# Altium PCB PIXHACK_V3D.PcbDoc (part 1 of 3) (continued)
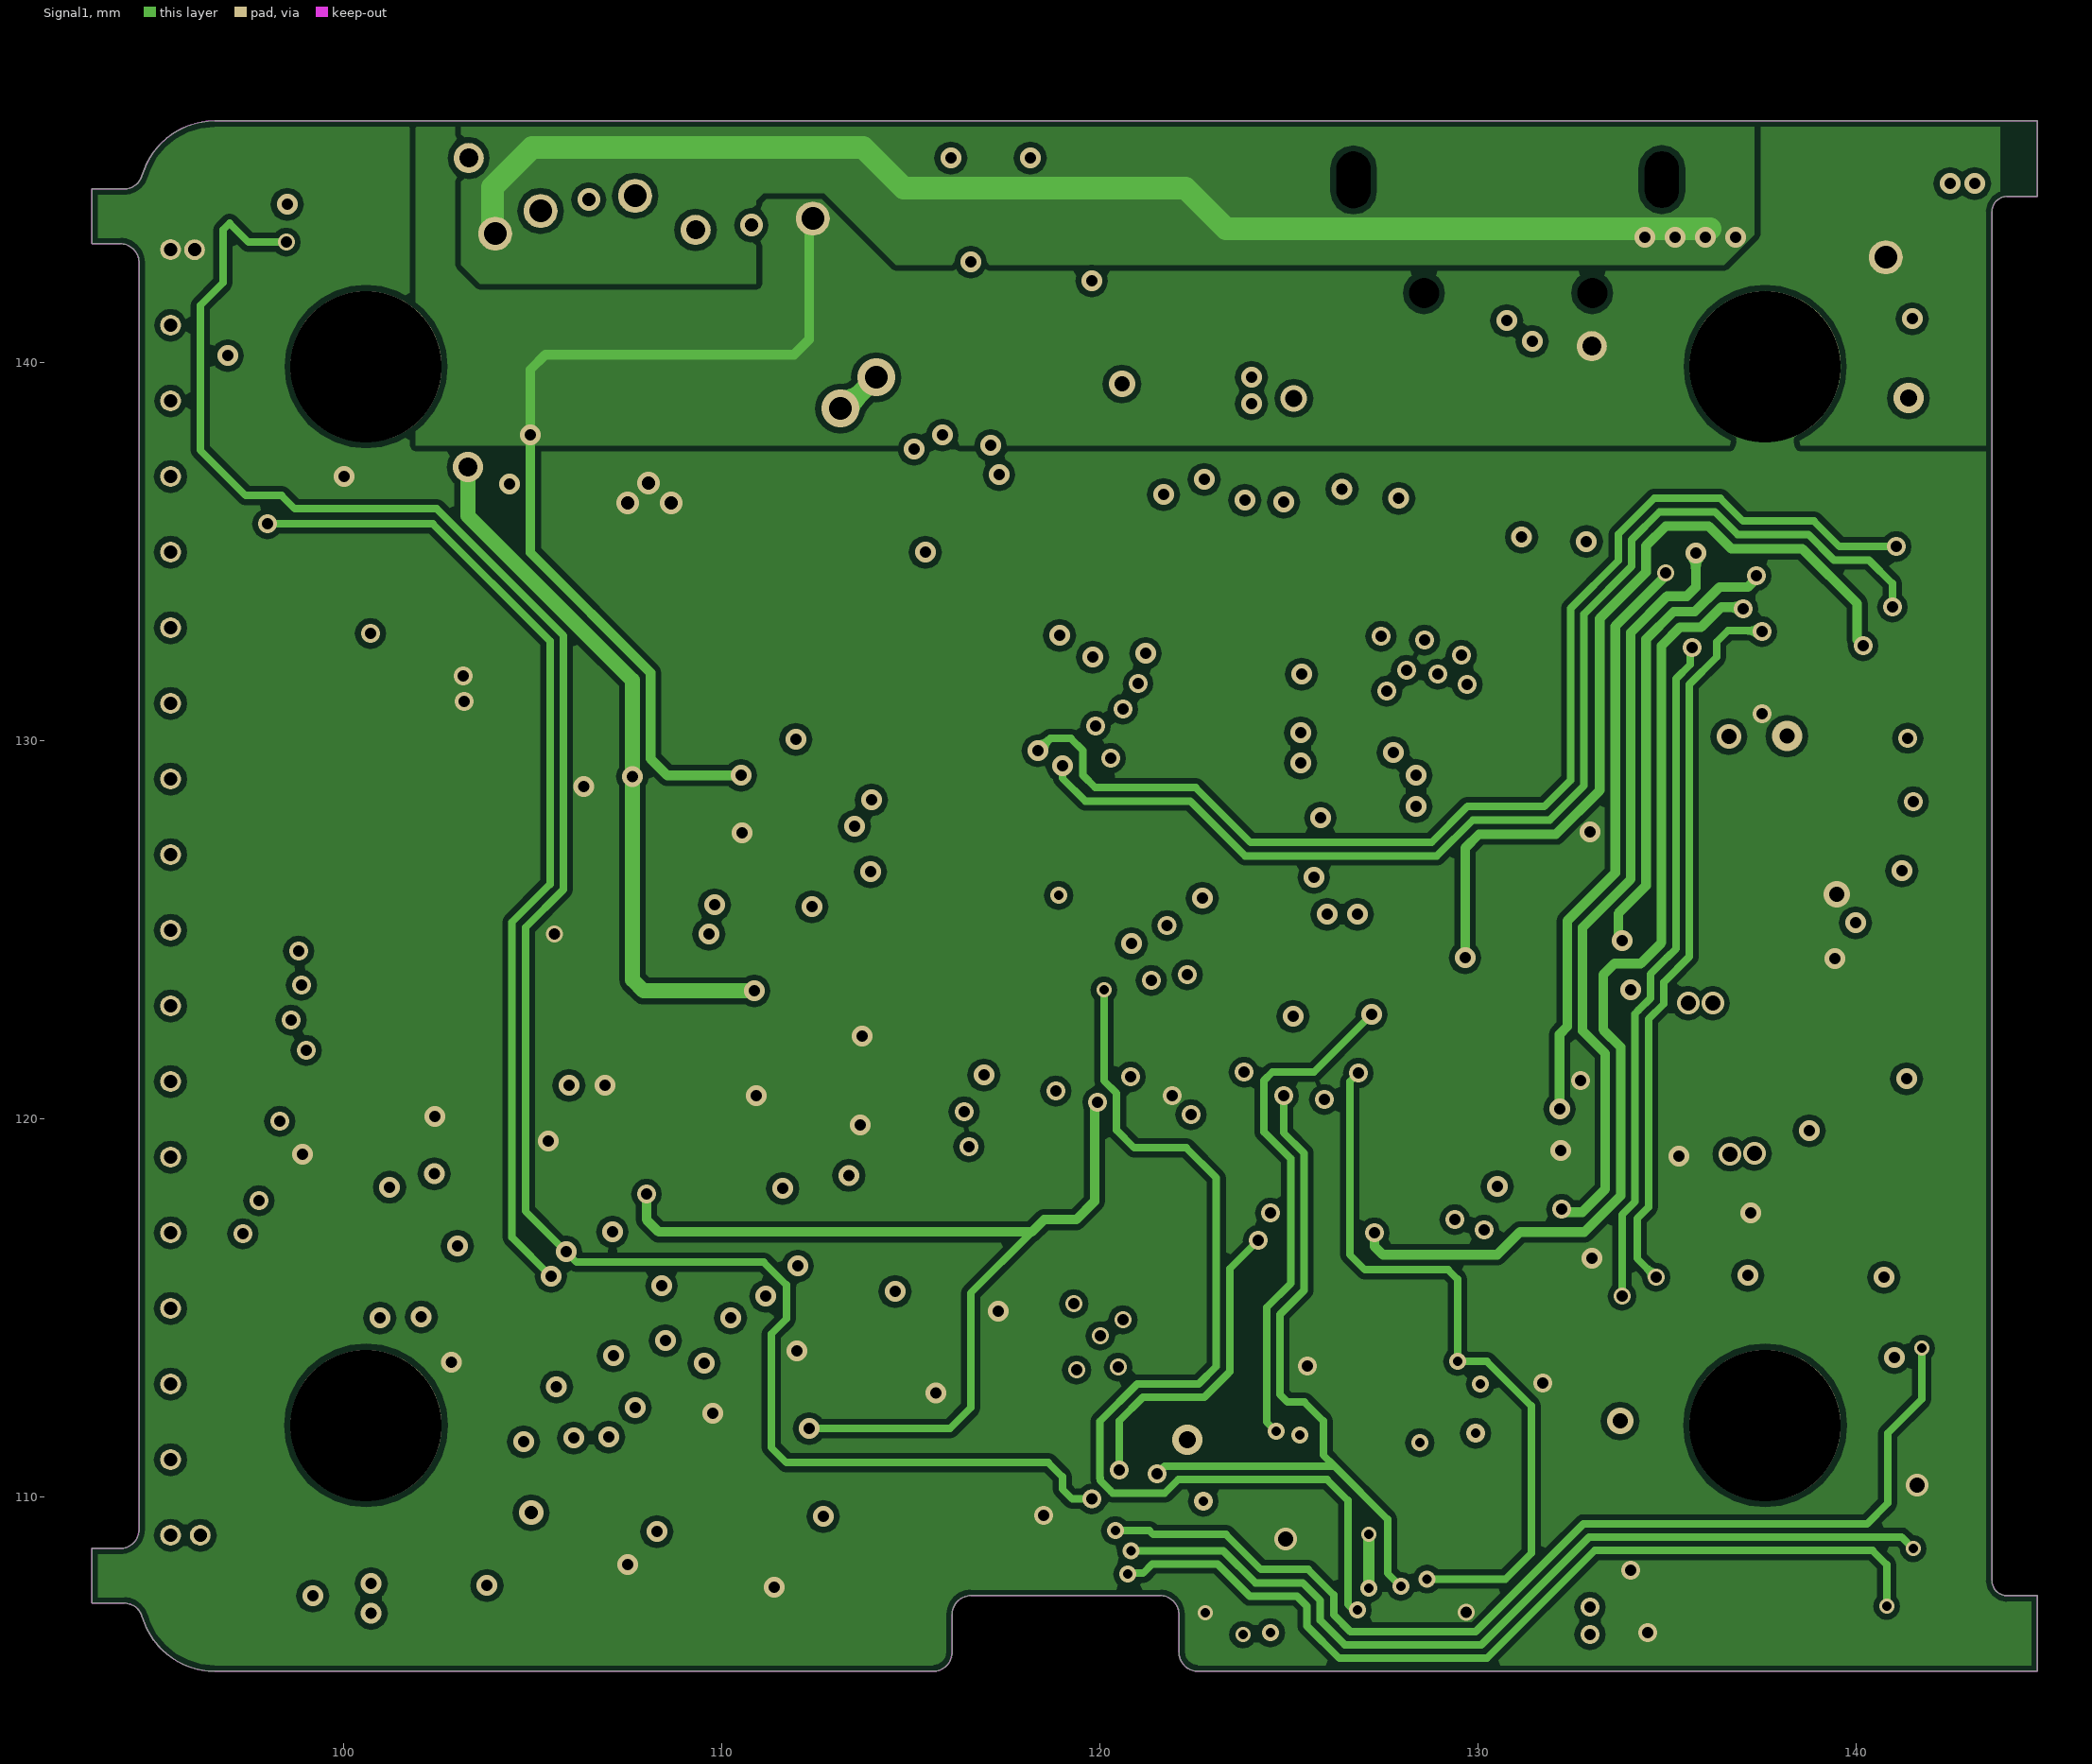
[diagram p4: Signal1]
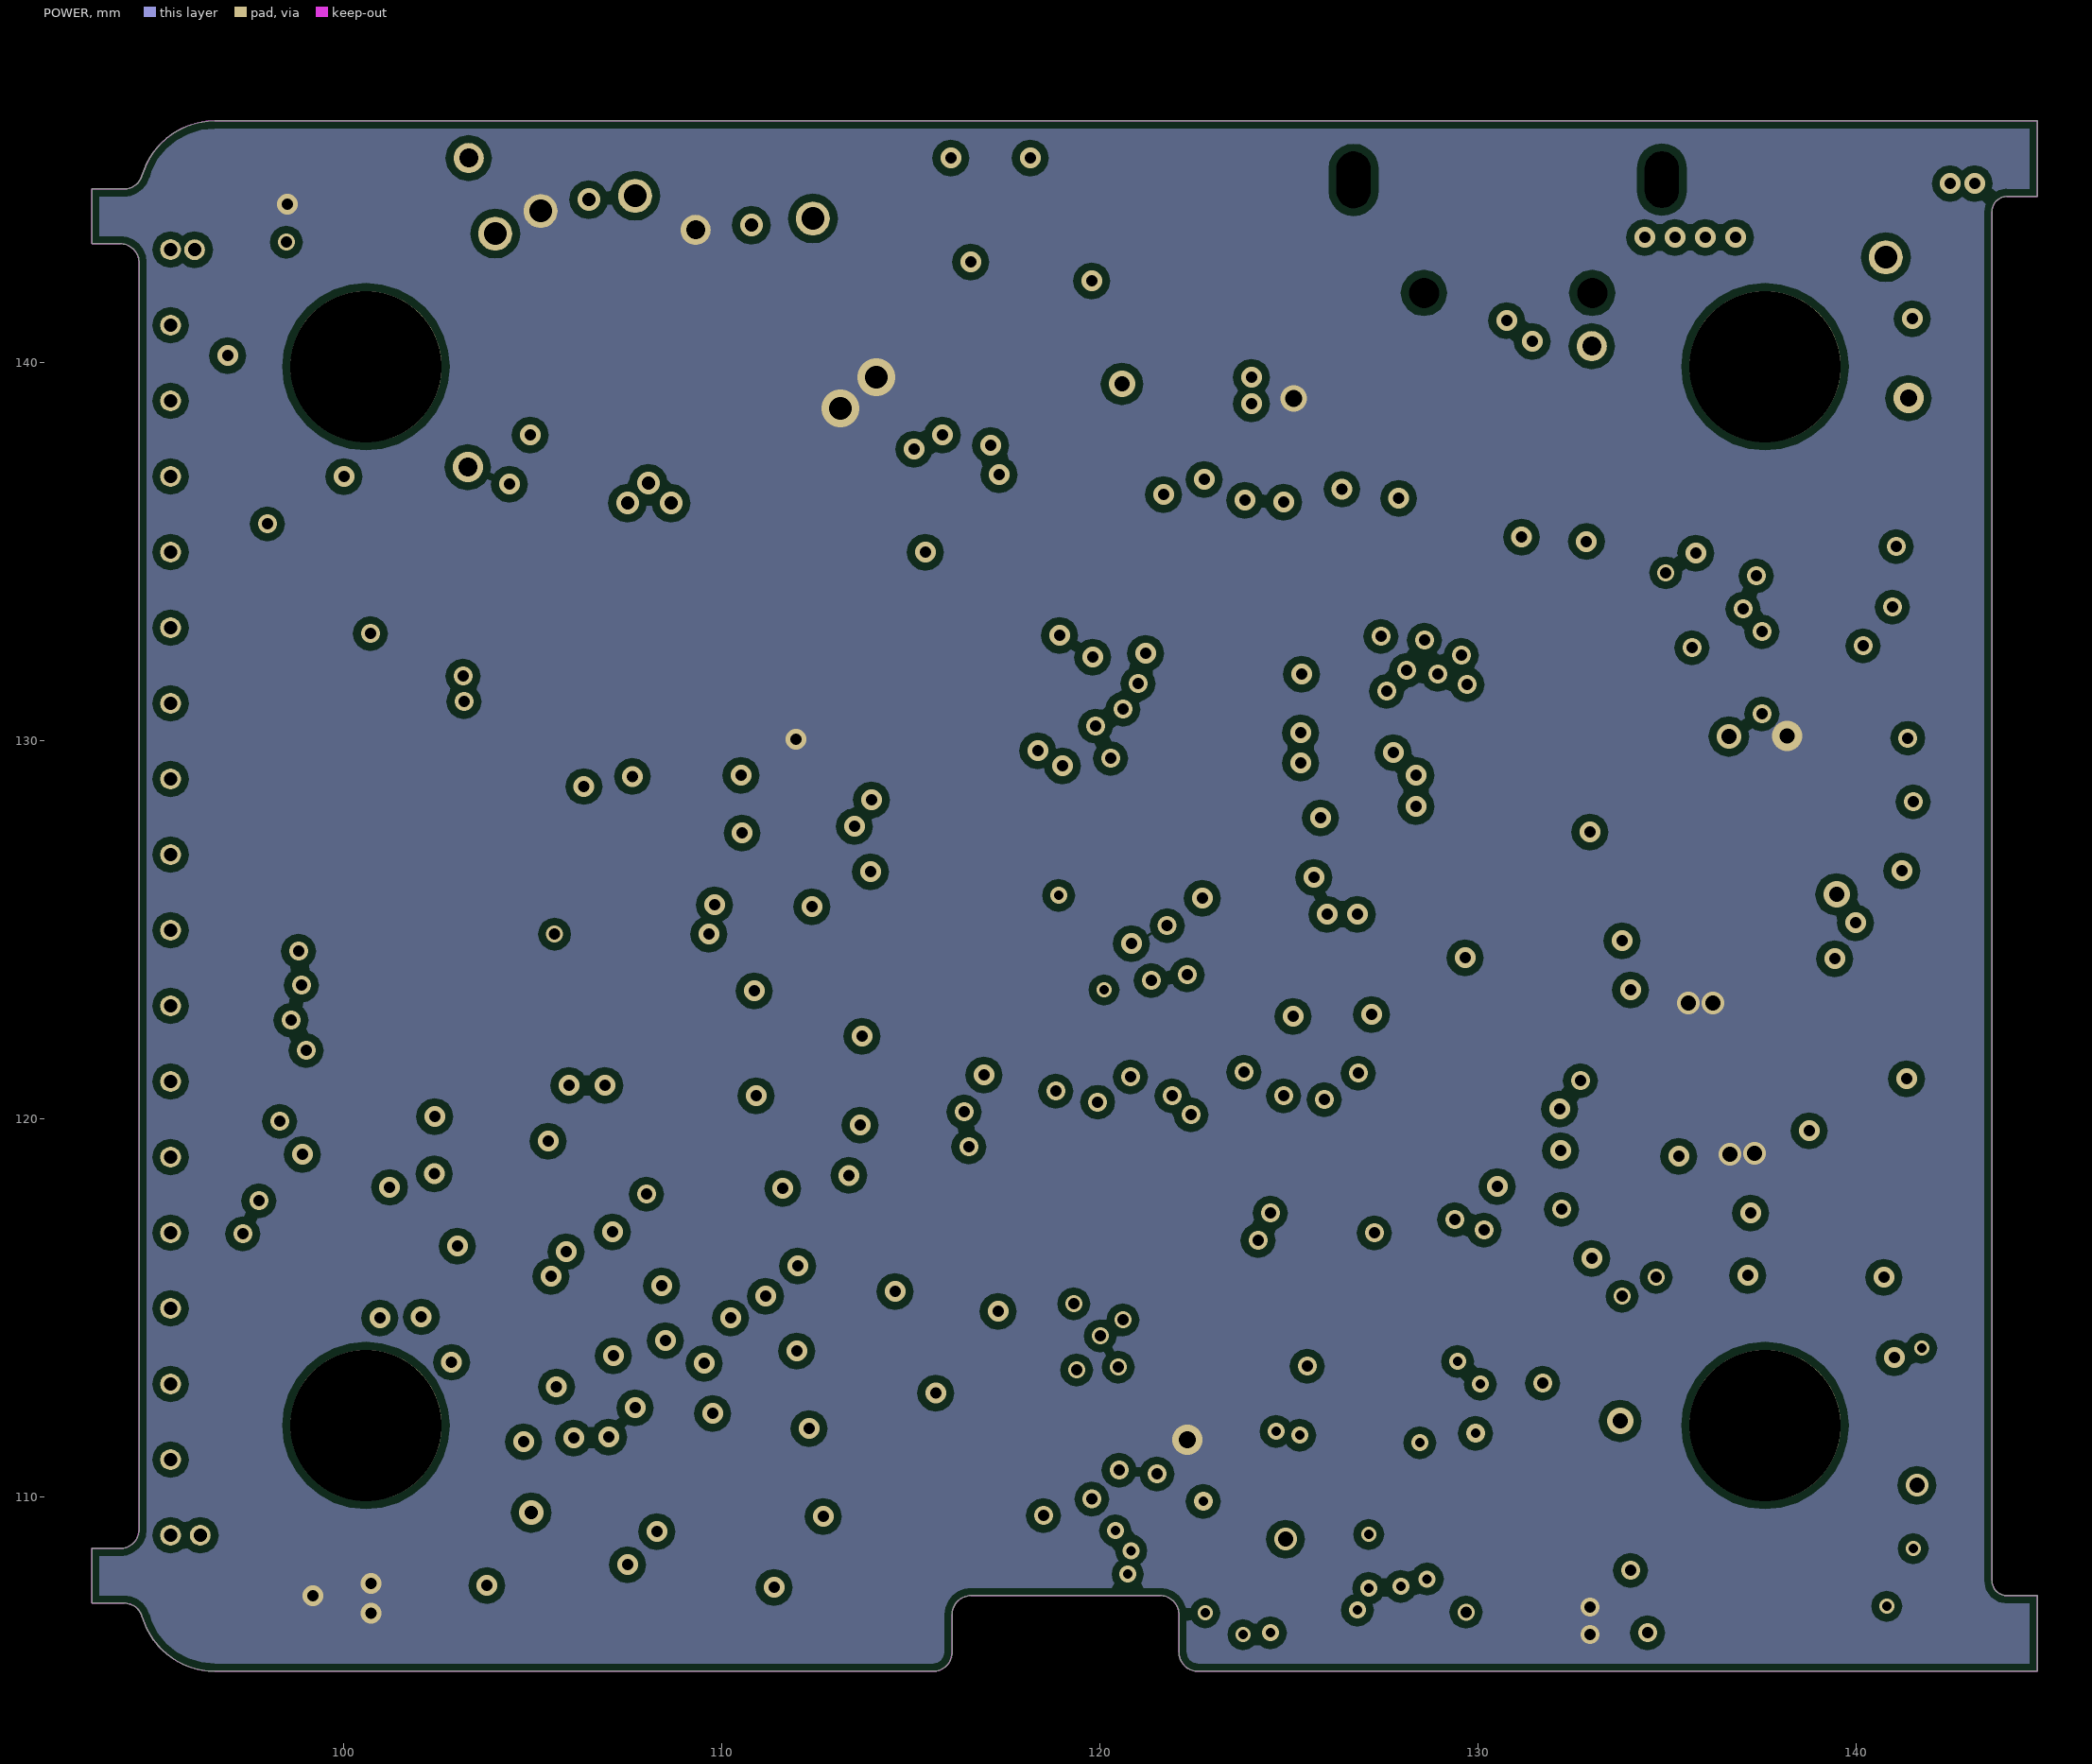
[diagram p5: POWER]
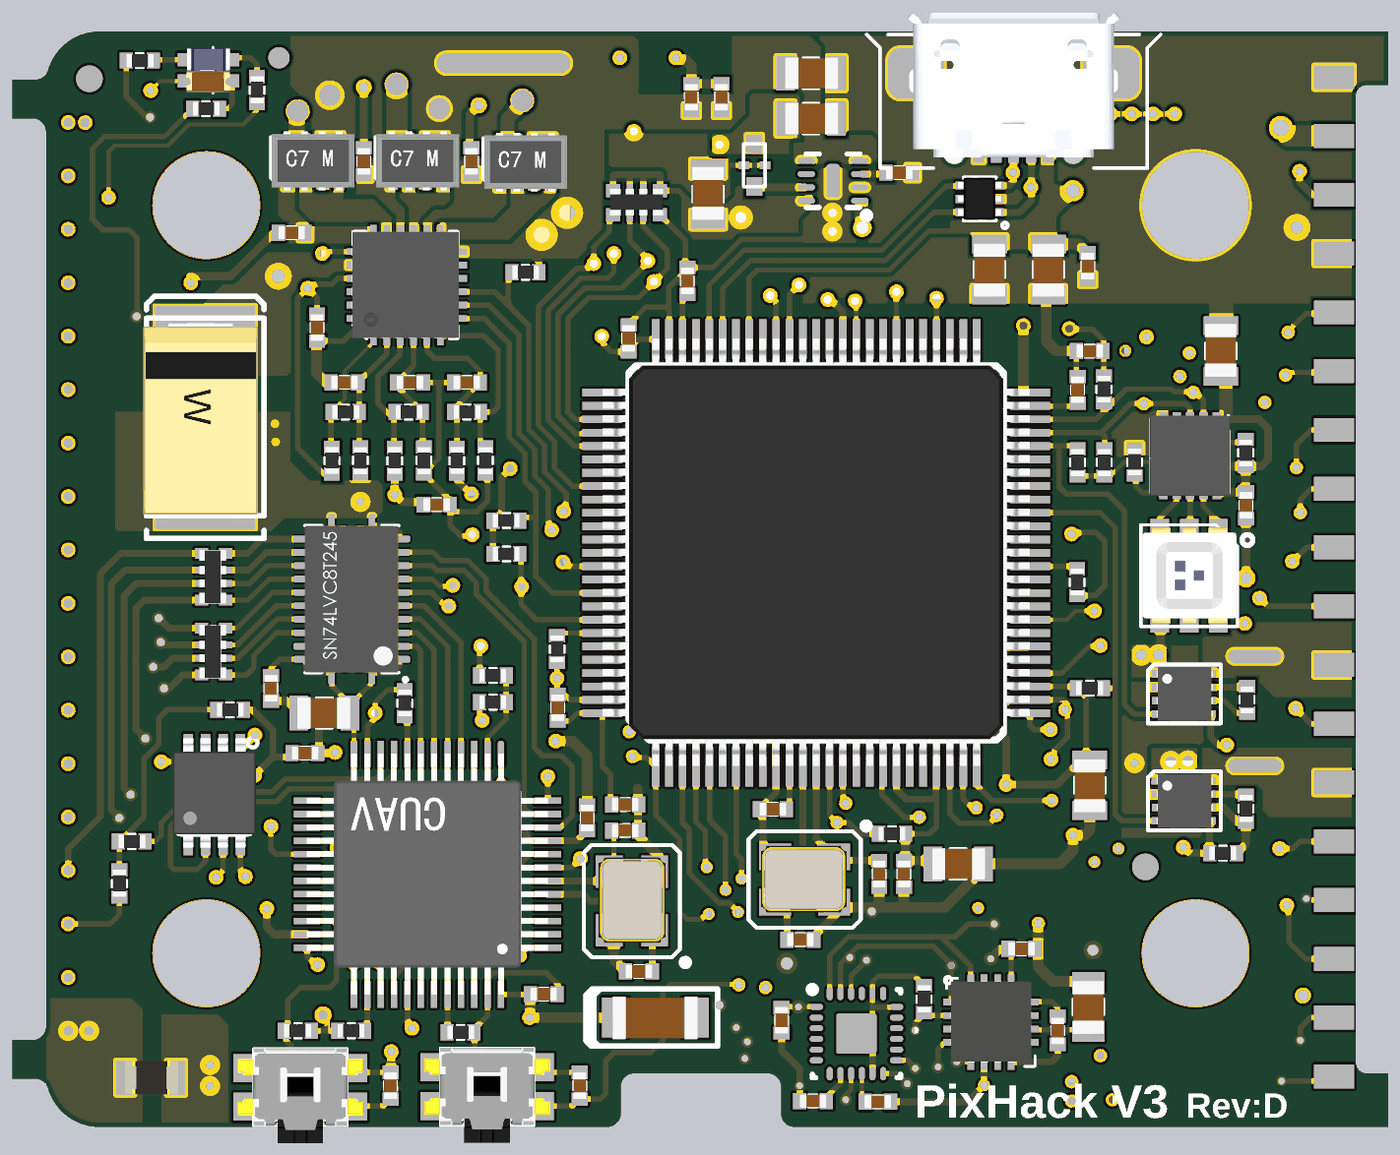
[diagram p8: 3D render of the assembled board from above, using the file's embedded part models]
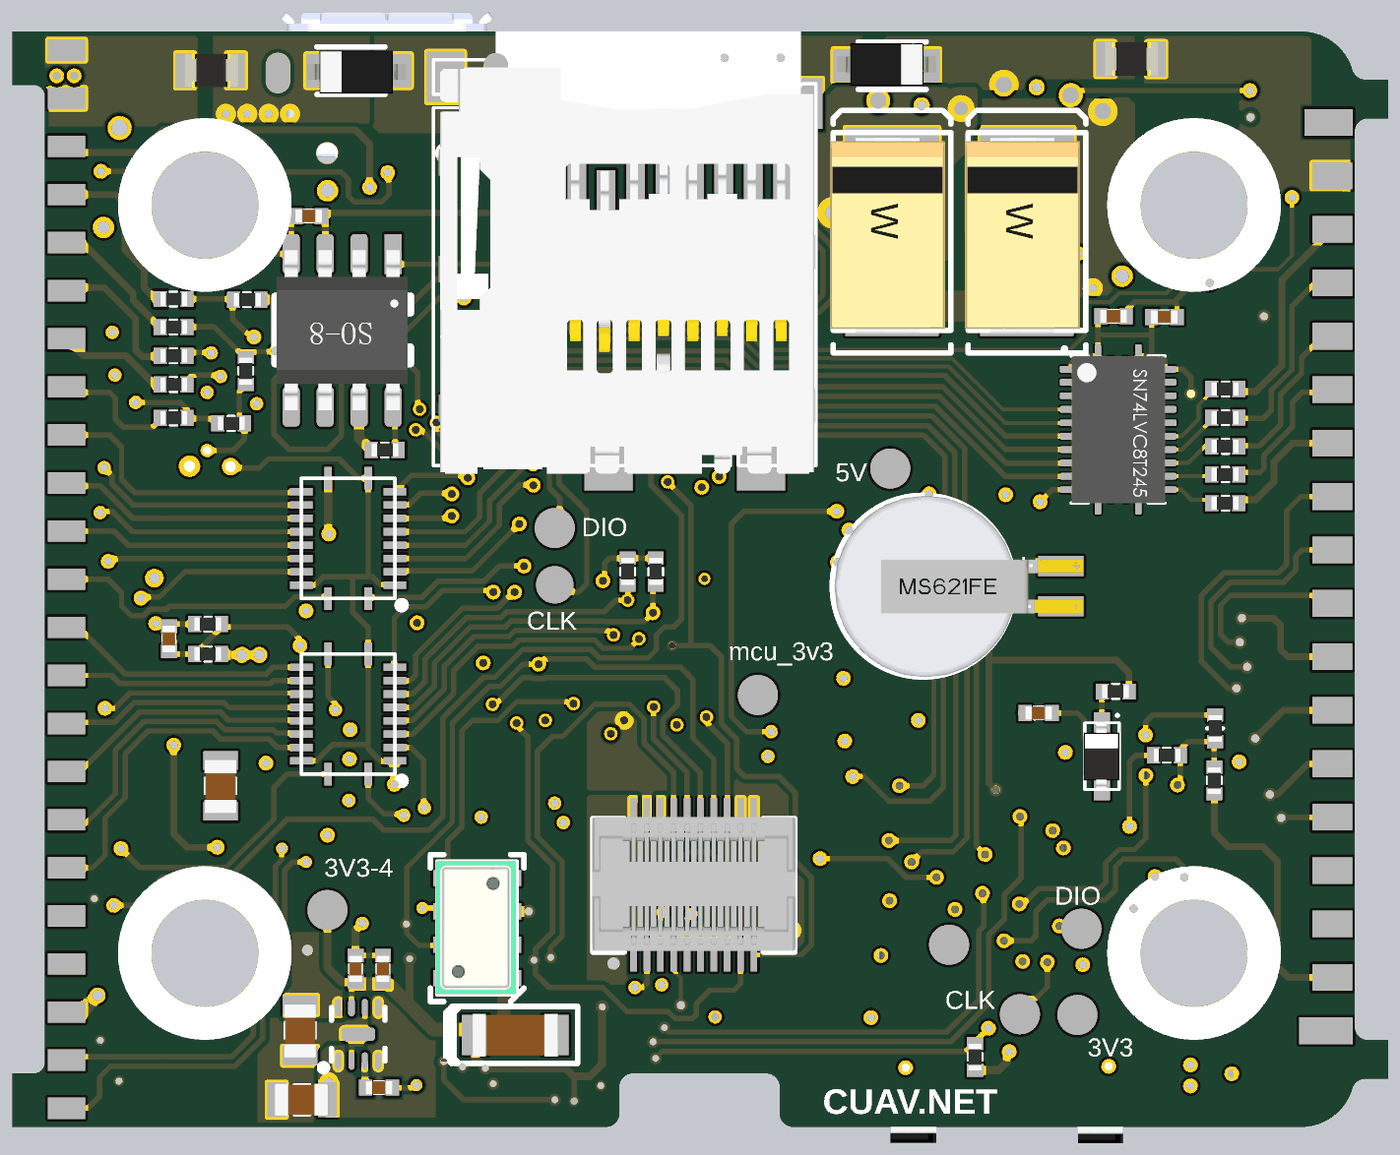
[diagram p9: 3D render of the assembled board from below, using the file's embedded part models]

## Layer stack, top to bottom
Top Solder: solder mask 0.0102, Solder Resist, Dk 3.5
Top Layer: signal copper 0.0356
Dielectric1: core 0.32, FR-4, Dk 4.8
GND: signal copper 0.0356
Dielectric 4: prepreg 0.127, Dk 4.2
POWER1: signal copper 0.036
Dielectric 5: core 0.254, Dk 4.2
Signal1: signal copper 0.0356
Dielectric3: core 0.254, FR-4, Dk 4.2
POWER: signal copper 0.036
Dielectric2: prepreg 0.127, FR-4, Dk 4.2
Bottom Layer: signal copper 0.0356
Bottom Solder: solder mask 0.0102, Solder Resist, Dk 3.5

## Board outline
96.584,105.383 115.584,105.383 ccw(c115.584,105.883) 116.084,105.883 116.084,106.883 cw(c116.584,106.883) 116.584,107.383 121.584,107.383 cw(c121.584,106.883) 122.084,106.883 122.084,105.883 ccw(c122.584,105.883) 122.584,105.383 144.78,105.383 144.78,107.383 143.98,107.383 cw(c143.98,107.783) 143.58,107.783 143.58,143.983 cw(c143.98,143.983) 143.98,144.383 144.78,144.383 144.78,146.383 143.58,146.383 143.584,146.383 96.584,146.383 ccw(c96.584,144.383) 94.664,144.943 cw(c94.184,145.083) 94.184,144.583 93.334,144.583 93.334,143.133 94.084,143.133 cw(c94.084,142.633) 94.584,142.633 94.584,109.133 cw(c94.084,109.133) 94.084,108.633 93.334,108.633 93.334,107.183 94.184,107.183 cw(c94.184,106.683) 94.664,106.823 ccw(c96.584,107.383)

## Design rules (kind name [scope] priority, off if disabled: settings)
Clearance Clearance_1 [OnLayer('power')] p1: gap=0.2
Clearance Clearance_3 [OnLayer('POWER1') vs InNetClass('All Nets')] p2: gap=0.2
Clearance Clearance_2 [OnLayer('GND')] p3: gap=0.2
Clearance [All] p4: gap=0.154
PlaneConnect PlaneConnect_2 [OnLayer('Multi-Layer')] p1: planeconnectstyle=Direct reliefexpansion=0.508 reliefentries=4 reliefconductorwidth=0.254 reliefairgap=0.254
PlaneConnect [All] p2: planeconnectstyle=Relief reliefexpansion=0.508 reliefentries=4 reliefconductorwidth=0.254 reliefairgap=0.254
PolygonConnect PolygonConnect_1 [OnLayer('Multi-Layer') + InNet('VDD_SERVO')    +InNet('VDD_5V_IN')+InNet('VCC_OUT1')+InNet('VCC_OUT2')    +InNet('VDD_5V_BRICK')+InNet('VDD_5V_BRICK_IN')+InNet('TF_VCC')+InNet('GND')          +InNet('VDD_RC') +InNet('VBUS')+InNet('MCU_3V3')+InNet('VDD_VS')+InNet('VDD_G')+InNet('SERVO_G')+InNet('SERVO_VS')+InNet('VBUS_G')+InNet('VBUS_VS')+InNet('IO-3V3') +InNet('VDD_SERVO_IN')] p1: connectstyle=Direct reliefconductorwidth=0.254 reliefentries=4 polygonreliefangle="90 Angle" airgapwidth=0.254
PolygonConnect [All] p2: connectstyle=Relief reliefconductorwidth=0.254 reliefentries=4 polygonreliefangle="90 Angle" airgapwidth=0.254
RoomDefinition PIX_SH_V3C [InComponentClass('PIX_SH_V3C')] p1: confinementstyle=ConfineIn formatcopy=TRUE lockcomponents=FALSE outline 0,0 50.8,0 50.8,25.4 0,25.4
RoutingVias [All] p1: holewidth=0.35 width=0.6 viastyle="Through Hole" minholewidth=0.3 minwidth=0.6 maxholewidth=0.5 maxwidth=1
SilkToSolderMaskClearance SilkscreenOverComponentPads [IsPad] p1: minsilkscreentomaskgap=0.254 clearancetoexposedcopper=TRUE
SolderMaskExpansion [All] p1: expansion=0.102
Width [All] p1: maxlimit=2 minlimit=0.15 preferedwidth=0.254 toplayer_maxwidth=1 midlayer1_minwidth=0.2 midlayer2_minwidth=0.2 midlayer3_minwidth=0.254 midlayer3_maxwidth=1 midlayer4_minwidth=0.254 midlayer4_maxwidth=1 bottomlayer_maxwidth=1 minimp=50.000000 maximp=50.000000 favimp=50.000000
28 further rules are at their usual default settings.

## Components (designator, comment, footprint, x,y, rotation, side; value= is the part's Value field where it differs from the comment)
3 "100k" 0402_4R#1 116.7,140 r180 top
BAT1 "MS621FE" MS621FE 109.387,125.612 r0 bottom
C1 "220PF" 0402CAP#1 105.75,133.25 r0 top
C2 "47nf" 0402CAP#1 108.2,133.25 r180 top
C3 "100nf" 0402CAP#1 103.775,138.85 r0 top
C4 "8PF" 0402CAP#1 116.761,111.204 r0 top
C5 "10nf" 0402CAP#1 118.725,143.925 r90 top
C6 "100nf" 0402CAP#1 126.675,114.85 r270 top
C7 "100NF" 0402CAP#1 131.075,112.05 r180 top
C8 "8PF" 0402CAP#1 116.25,116.475 r0 top
C9 "100nf" 0402CAP#1 116.375,134.9 r90 top
C10 "100nf" 0402CAP#1 106.4,120.875 r0 bottom
C11 "47UF 16V" 7343CAP#1 106.75,139.275 r270 bottom
C12 "47UF 16V" 7343CAP#1 111.8,139.275 r270 bottom
C13 "47UF 16V" 7343CAP#2 100.625,132.325 r270 top
C14 "22UF" 0805CAP 133.6,118.175 r90 top
C15 "22UF" 0805CAP 119.375,140.3 r270 top
C16 "22uf" 0805cap#1 123.2,143.1 r180 top
C17 "22UF" 0805CAP 138.55,134.425 r270 top
C18 "100nf" 0402CAP#1 104.725,135.3 r270 top
C19 "100nf" 0402CAP#1 119.85,143.925 r90 top
C20 "100NF" 0402CAP#2 133.7,139.5 r180 bottom
C21 "100nf" 0402CAP#1 109.2,128.675 r0 top
C22 "100nf" 0402CAP#1 133.55,137.6 r270 top
C23 "8PF" 0402CAP#1 125.75,114.85 r90 top
C24 "100nf" 0402CAP#1 107.475,106.925 r90 top
C25 "2.2uf" 0402CAP#1 133.175,132.975 r90 top
C26 "2.2uf" 0402CAP#1 118.575,137.05 r90 top
C27 "8PF" 0402CAP#1 122.801,112.391 r0 top
C28 "1UF" 0402CAP#1 114.55,106.925 r90 top
C29 "100nf" 0402CAP#1 139.475,128.65 r270 top
C30 "22UF" 0805CAP 129.85,137.475 r90 top
C31 "22UF" 0805CAP 132.05,137.475 r90 top
C32 "100nf" 0402CAP#1 106.475,141.525 r270 top
C33 "220PF" 0402CAP#1 110.325,133.25 r0 top
C34 "100nf" 0402CAP#1 110.5,141.525 r270 top
C35 "2.2uf" 0402CAP#2 125.7,106.3 r180 top
C36 "100nf" 0402CAP#1 113.725,121.075 r90 top
C37 "100nf" 0402CAP#1 116.25,117.45 r0 top
C38 "100nf" 0402CAP#1 121.775,117.275 r180 top
C39 "100nf" 0402CAP#1 113.2,110.35 r0 top
C40 "22UF" 0805CAP 123.2,144.8 r180 top
C41 "22UF" 0805CAP 134.05,109 r90 bottom
C42 "2.2uf" 0402CAP#1 133.625,134.425 r180 top
C43 "100NF" 0402CAP#2 122.125,109.375 r270 top
C44 "100NF" 0402CAP#1 131.075,106.85 r0 bottom
C45 "100NF" 0402CAP#1 126.5,141.1 r180 top
C46 "100NF" 0402CAP#1 123.275,106.35 r0 top
C47 "100NF" 0402CAP#1 130.925,111.3 r270 bottom
C48 "22uf" 0805cap#1 105,120.9 r0 top
C49 "22uf" 0805cap#1 128.7,115.2 r180 top
C50 "47UF/16V" c1206a 127.475,108.825 r180 bottom
C51 "220nf" 0402CAP#3 132.425,108.975 r90 top
C52 "4.7uf" 0805cap#2 133.55,109.875 r90 top
C53 "10NF" 0402CAP#1 131.95,111.3 r270 bottom
C54 "2.2UF/16V" 0402CAP#2 101.7,135.725 r180 bottom
C55 "22uf" c1206a 115.875,109.475 r0 top
C56 "22UF" 0805CAP 137.025,118.15 r90 bottom
C57 "22UF" 0805CAP 133.95,106.425 r180 bottom
C58 "100nf" 0402CAP#2 114.85,116.95 r270 top
C59 "100nf" 0402CAP#2 138.9,123.65 r270 bottom
C60 "100nf" 0402CAP#2 102.975,121.8 r90 top
C61 "100NF" 0402CAP#2 104.275,119.35 r180 top
C62 "100nf" 0402CAP#2 103.6,135.7 r0 bottom
CON2 "TF-CARD" 47352-1001 121.442,135.95 r180 bottom locked
CON3 "0547220204" 0547220204 119.5,114.6 r180 bottom
D2 "D240L" SOD-123#1 131.85,145.025 r0 bottom
D3 "D240L" SOD-123#2 112.15,145 r180 bottom
D4 "LRTB" LRTB 137.434,126.02 r180 top
d5 "4148" SOD323 104.25,119.275 r0 bottom
ESD2 "DNP" ESD0402 99.825,120.35 r90 bottom
F1 "1A" 0805L 102.95,145.325 r180 bottom
F2 "0R" 0805L 137.375,144.9 r180 bottom
F3 "KYOCERA-KNH16-DA" KYOCERA-KNH16-DA 121.2,141.4 r270 top
IO1 "pix_pwm_io" pix_pwm_out 99.06,120.214 r0 top locked
IO2 "INPUT_IO" PIX_OP 142.444,124.639 r0 top locked
KEY1 "EVQ-P7J01P" EVQ-P7J01P#1 104.1,106.825 r0 top
KEY2 "EVQ-P7J01P" EVQ-P7J01P#2 111.084,106.847 r0 top
L1 "500MA" 0805L 98.5,107.2 r0 top
LDO1 "MIC5330-SSYML" mic5530 124.025,140.8 r180 top
LDO2 "MIC5330-SSYML" MIC5530 131.85,108.85 r90 bottom
LED1 "0603RGB" 0603RGB 100.584,144.883 r90 top locked
R1 "309k" R0402#1 107.65,130.325 r270 top
R2 "453K" R0402#1 105.3,130.325 r270 top
R3 "24.9k" R0402#1 108.158,132.119 r180 top
R4 "56K" R0402#1 105.799,132.119 r180 top
R5 "453K" R0402#1 109.975,130.325 r270 top
R6 "56K" R0402#1 110.34,132.119 r180 top
R7 "10k" R0402#1 104,109 r0 top
R8 "75k" R0402#1 108.7,130.325 r90 top
R9 "16.5K" R0402#1 139.491,121.367 r90 top
R10 "10K" R0402#1 133.15,130.25 r90 top
R11 "220R" R0402#1 97.8,116.05 r180 top
R12 "10K" R0402#1 108.025,121.25 r270 top
R13 "10K" R0402#1 139.438,130.606 r90 top
R14 "10K" R0402#2 135.325,130.275 r270 top
R15 "10K" R0402#1 138.602,115.652 r0 top
R16 "16.5K" R0402#1 139.491,117.303 r270 top
R17 "10K" R0402#1 133.625,121.825 r0 top
R18 "105k" R0402#1 106.325,130.325 r90 top
R19 "105k" R0402#1 111,130.325 r90 top
R20 "10k" R0402#1 133.175,125.775 r270 top
R21 "10k" R0402#1 137.475,123.1 r180 bottom
R22 "10K" R0402#1 137.475,124.225 r180 bottom
R23 "10k" R0402#1 138.75,135.3 r0 bottom
R24 "1M" R0402#1 136.075,133.675 r90 bottom
R25 "10k" R0402#1 134.175,133 r270 top
R26 "10k" R0402#1 138.75,133.15 r0 bottom
R27 "10k" R0402#1 111.3,122.3 r0 top
R28 "5.1k" R0402#1 111.3,121.3 r0 top
R29 "1k5" R0402#1 120.7,126.175 r270 bottom
R30 "10k" R0402#1 134.15,130.25 r90 top
R31 "1k5" R0402#1 121.75,126.175 r270 bottom
R32 "10k" R0402#1 138.75,134.225 r0 bottom
R33 "10k" R0402#1 113.725,123.275 r270 top
R34 "10k" R0402#1 126.225,116.375 r0 top
R35 "10k" R0402#1 138.75,136.35 r0 bottom
R36 "1M" R0402#1 136,136.325 r0 bottom
R37 "10K" R0402#1 110.1,108.9 r180 top
R38 "1M" R0402#1 111.8,128.1 r0 top
R39 "1M" R0402#1 111.8,126.85 r0 top
R40 "1M" R0402#1 112.525,137.35 r180 top
R41 "1K/NC" R0402#1 98.1,145.275 r180 top
R42 "10K" R0402#1 108.8,108 r90 bottom
R43 "10k" R0402#1 138.75,131.9 r0 bottom
R44 "10K" R0402#1 136.6,131.7 r0 bottom
R45 "220r" R0402#1 103.525,121.7 r180 bottom
R46 "10K" R0402#1 106,109 r0 top
R47 "1k" R0402#1 102.5,144.2 r270 top
R48 "1k" R0402#1 100.575,143.475 r180 top
R49 "1K" R0402#1 130.85,130.7 r0 bottom
R50 "220R" R0402#1 99.85,118.344 r90 bottom
R51 "100R" 0402_4R#2 100.825,123.2 r270 top
R52 "100R" 0402_4R#2 100.825,126 r270 top
R53 "2K" R0402#1 101.6,119.275 r0 bottom
R54 "220R" R0402#1 97.35,114.5 r270 top
R55 "1K" R0402#1 101.475,120.975 r180 top
R56 "100R" R0402#1 99.425,133.025 r180 bottom
R57 "100R" R0402#1 99.425,131.95 r180 bottom
R58 "100R" R0402#1 99.425,130.875 r180 bottom
R59 "22R" R0402#1 99.425,129.825 r180 bottom
R60 "100R" R0402#1 99.425,128.75 r180 bottom
R61 "10K" R0402#1 127.45,110.175 r270 top
U1 "STM32F4" TQFP100_2 123.944,126.542 r90 top locked
U2 "STM32F100" TQFP48 108.704,114.941 r180 top
U3 "SN74LVC8T245" QFN24-RGY 103.375,131.6 r270 bottom
U4 "74LVC2G240" "TSSOP8 - duplicate" 100.932,118.006 r270 top
U5 "FM25V01-G" SO-8 132.45,135.2 r270 bottom
U6 "TXS0108E" QFN20-RGY 132.15,126.95 r90 bottom
U7 "TXS0108E" QFN20-RGY 132.15,120.375 r90 bottom
u8 "LTC4417IUF#PBF" QFN24 108.108,136.922 r90 top
U9 "MPU9250" QFN24-0.4 124.9,108.875 r0 top
U11 "NTHD4102PT1G" 1206A?03 104.554,141.517 r0 top
U12 "NTHD4102PT1G" 1206A?03 108.464,141.517 r0 top